# Altium PCB SmartHaloFF.PcbDoc (part 4 of 4)
Units mm, origin at the board's own origin, x right, y up, seen from the top; angles counter-clockwise.
Board outline 76.77 x 65.15 mm, 4 copper layers (Top Layer, Ground Plane, Power Plane, Bottom Layer), stack 1.516 mm thick; 370 components, 183 nets, 935 pads, 579 vias.
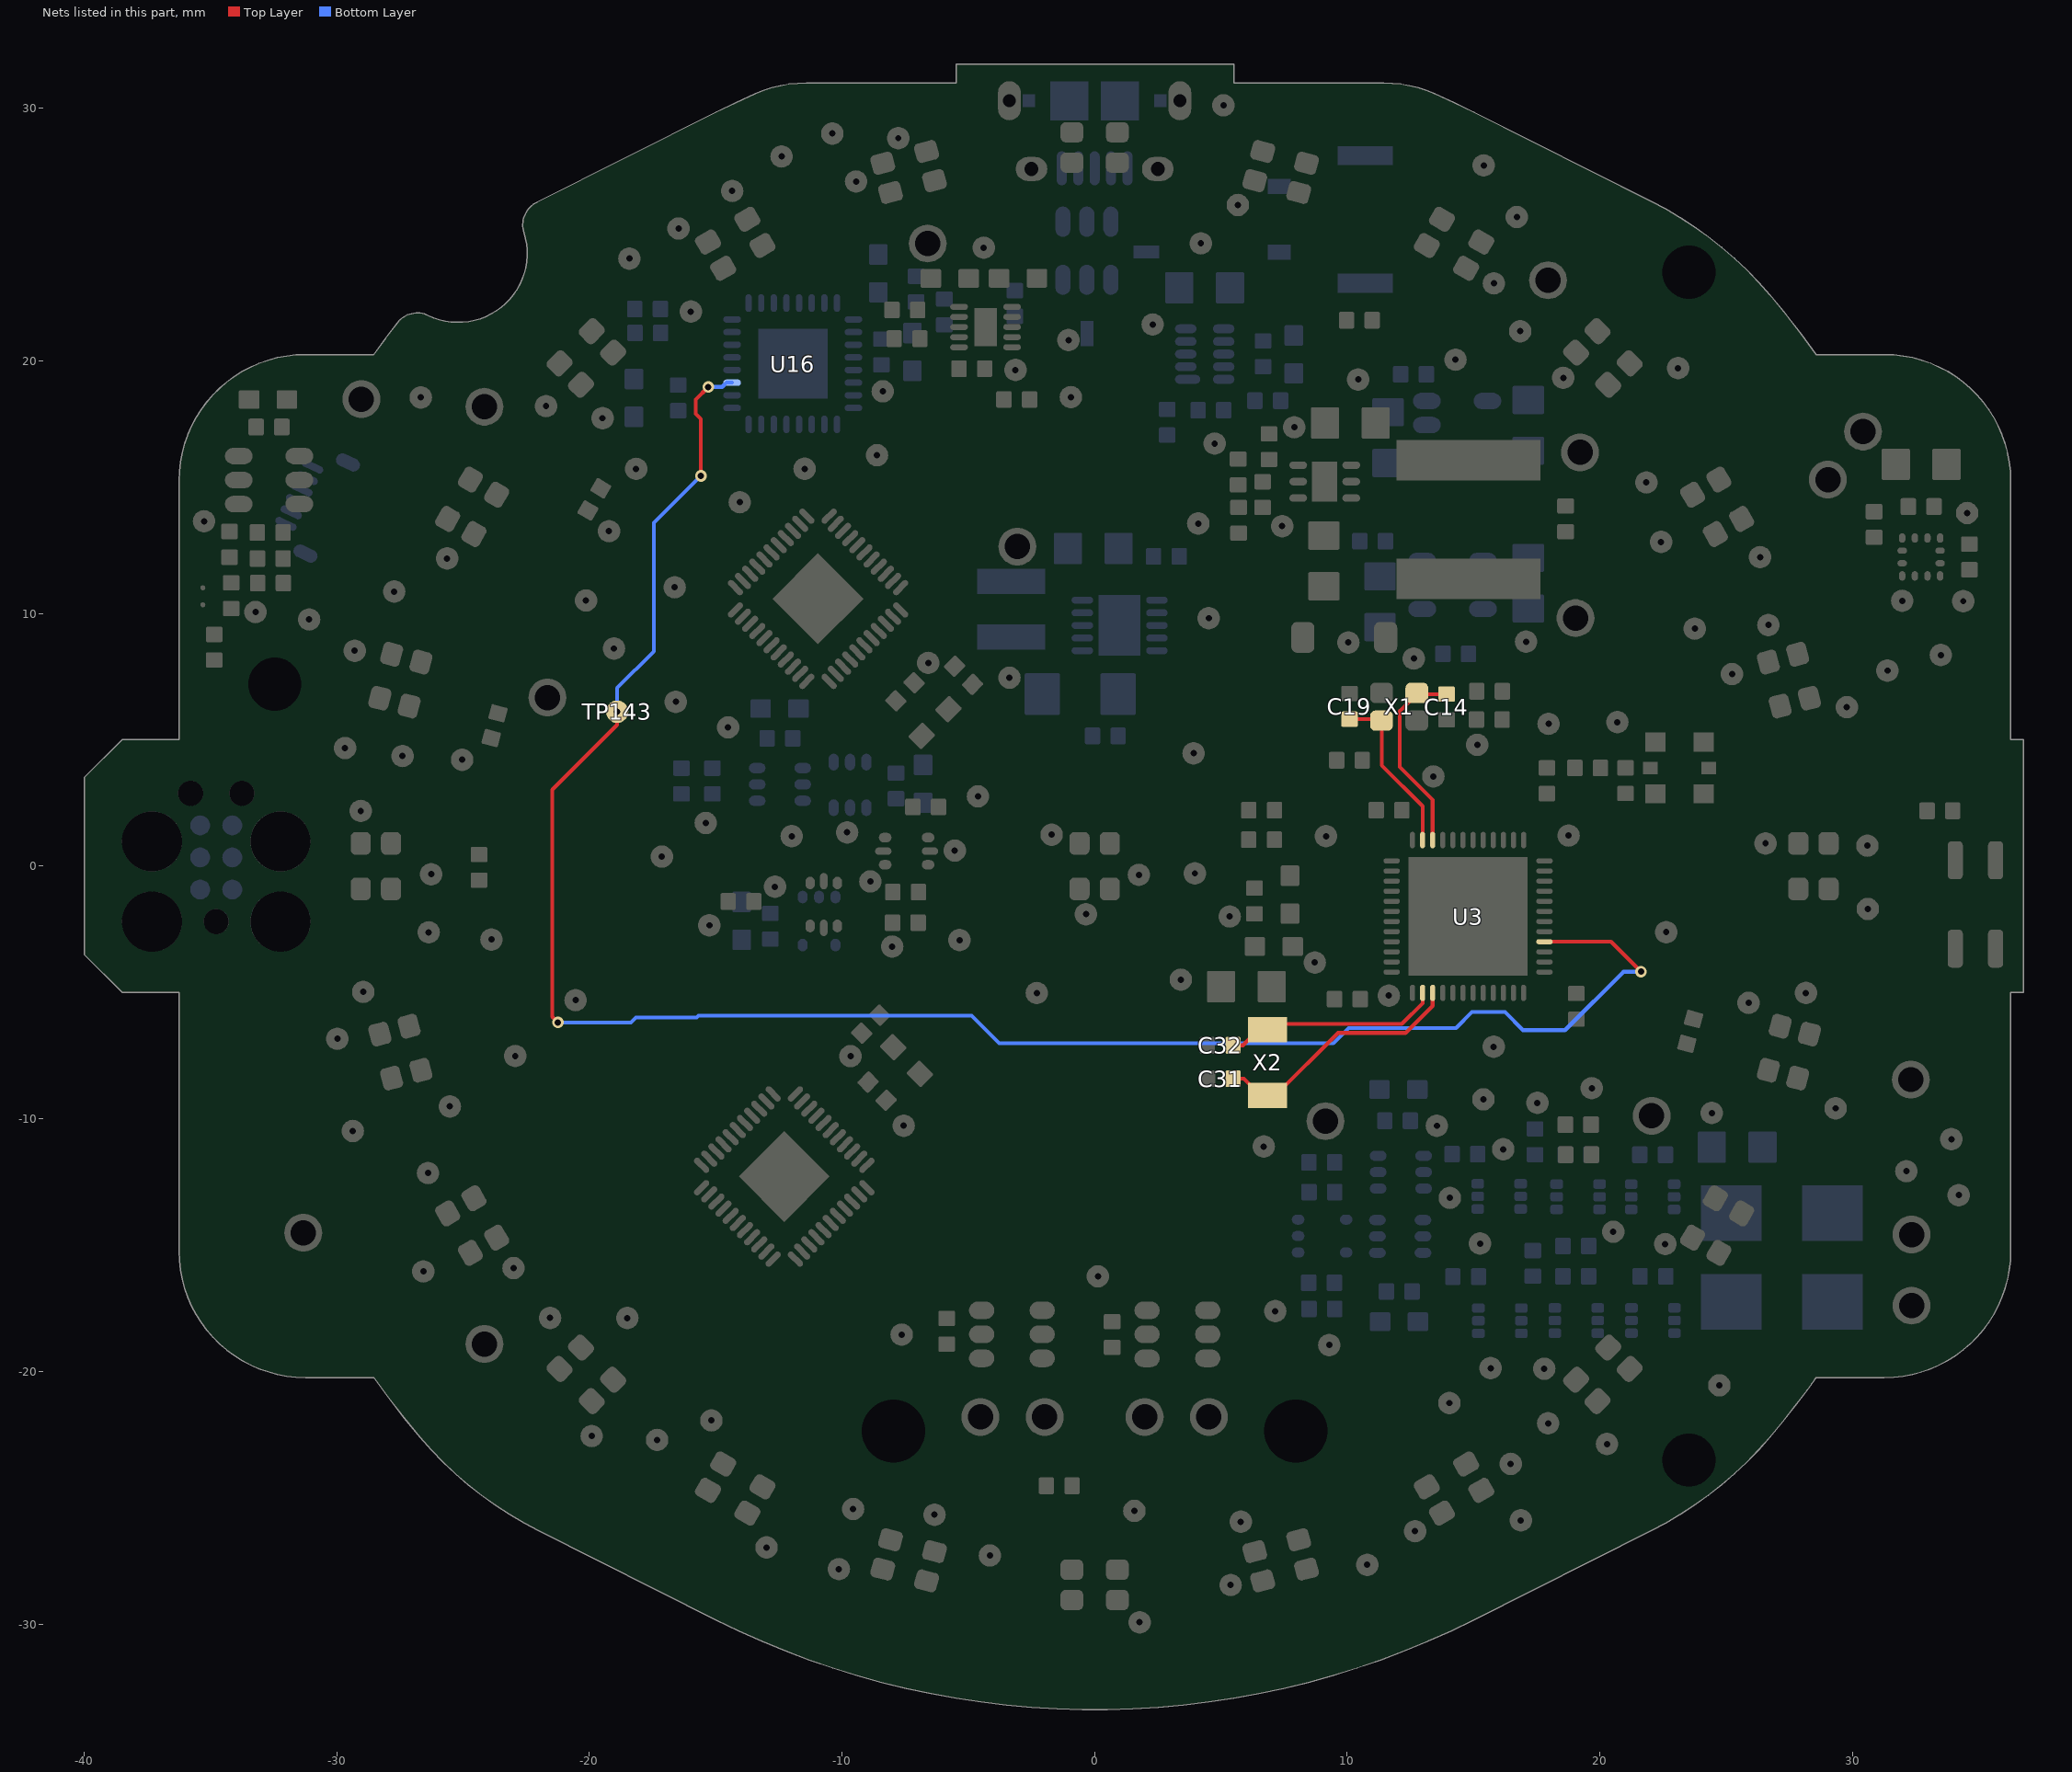
[diagram p6: the nets of this part, all layers, seen from the top]

## Via types
v1: diameter 0.457, hole 0.254, Top Layer to Bottom Layer, 555 vias
v2: diameter 0.686, hole 0.33, Top Layer to Bottom Layer, 24 vias

## Nets (pads, with @x,y where several pads share a name; then routed paths per layer and width w, separated by ;. In a path a pad name is that pad's centre, name@x,y a point inside that pad or via, vN(x,y) a via of type N, cw(c..) or ccw(c..) an arc to the next point about the centre after c; other vN are vias at no path point) (continued)
W\A\K\E\U\P\: TP143.1 U3.16 U16.3 | length 78.5
  Top Layer w0.152: v1(-21.242,-6.19) -21.468,-5.964 -21.468,3.028 -18.9,5.596 TP143.1@-18.9,6.114 ; v1(-15.588,15.451) -15.588,17.7 -15.794,17.906 -15.794,18.468 v1(-15.291,18.971) ; U3.16@17.805,-2.991 20.441,-2.991 v1(21.628,-4.178)
  Bottom Layer w0.152: v1(-21.242,-6.19) -18.359,-6.19 -18.161,-5.992 -15.752,-5.992 -15.684,-5.923 -4.869,-5.923 -3.777,-7.015 9.449,-7.015 10.05,-6.413 14.179,-6.413 14.184,-6.408 14.305,-6.408 14.938,-5.776 16.239,-5.776 16.955,-6.492 18.62,-6.492 20.934,-4.178 v1(21.628,-4.178) ; TP143.1@-18.9,6.114 -18.9,7.054 -17.45,8.504 -17.45,13.589 v1(-15.588,15.451) ; v1(-15.291,18.971) -14.743,18.971 -14.573,19.141 U16.3@-14.348,19.141
XC_N: C14.1 U3.34 X1.3 | length 7.8
  Top Layer w0.152: U3.34@13.38,1.034 13.38,2.617 12.074,3.923 12.074,6.137 12.747,6.81 C14.1@13.929,6.81
XC_P: C19.1 U3.35 X1.1 | length 6.8
  Top Layer w0.152: C19.1@10.086,5.819 X1.1@11.293,5.819 ; X1.1@11.352,5.759 X1.1@11.293,5.819 ; U3.35@12.98,1.034 12.98,2.374 11.364,3.99 11.364,5.748 X1.1@11.293,5.819
XL_N: C31.2 U3.3 X2.2 | length 10.1
  Top Layer w0.152: C31.2@5.481,-8.415 5.908,-8.415 6.564,-9.071 X2.2@6.838,-9.071 7.167,-9.071 9.639,-6.599 12.306,-6.599 13.38,-5.525 U3.3@13.38,-5.016
XL_P: C32.2 U3.2 X2.1 | length 8.6
  Top Layer w0.152: C32.2@5.476,-7.092 5.872,-7.092 6.493,-6.471 X2.1@6.839,-6.471 7.066,-6.243 12.159,-6.243 12.98,-5.422 U3.2@12.98,-5.016
pads on no net: ANT1.2 D4.2 J5.4 J7.0 J7.6 U3.20 U3.44 U5.6 U8.4 U12.4 U13.4 U14.4 U16.10 U16.11 U16.21 U16.22 U16.23 U16.25 U16.26 U16.27 U16.28 U16.29 U16.31 U18.3 U18.4

## Polygon pours and split planes (outlines as drawn)
USBGND on Top Layer "USBGND Top" (solid, pour order 38): -5.486,31.755 5.514,31.755 5.514,27.579 -5.486,27.579
VBZ on Top Layer "VBZ TOP" (solid, remove dead copper, pour order 52): 11.036,12.421 11.036,10.394 11.036,8.098 7.628,8.098 7.087,8.098 7.087,8.829 7.087,12.421 9.053,12.421
VBAT on Top Layer "VBAT_L01_P044" (solid, remove dead copper, pour order 44): 10.048,15.22 17.767,15.22 17.767,18.781 10.048,18.781 10.048,15.22
GND on Top Layer "Top Ground" (solid, remove dead copper, pour order 64): -38.495,-4.995 -36.236,-4.995 -36.236,-15.245 ccw(c-31.236,-15.245) -31.236,-20.245 -28.534,-20.245 ccw(c0.014,0.005) -26.703,-22.605 ccw(c-15.253,-12.915) -21.99,-26.317 -14.986,-29.837 -14.987,-29.837 ccw(c0.013,0.005) 15.013,-29.837 15.014,-29.837 22.017,-26.317 22.016,-26.317 ccw(c15.28,-12.915) 26.73,-22.605 26.731,-22.605 ccw(c0.014,0.005) 28.199,-20.745 ccw(c0.014,0.005) 28.561,-20.245 31.255,-20.245 31.255,-20.246 ccw(c31.255,-15.237) 36.264,-15.237 36.264,-4.995 36.772,-4.995 36.772,5.005 36.264,5.005 36.264,15.255 36.263,15.255 ccw(c31.263,15.255) 31.263,20.255 28.561,20.255 ccw(c0.014,0.005) 26.731,22.615 26.73,22.615 ccw(c15.28,12.925) 22.016,26.327 22.017,26.327 15.014,29.847 ccw(c0.014,0.005) 13.452,30.583 ccw(c11.44,26.005) 11.44,31.005 5.514,31.005 5.514,31.755 -5.486,31.755 -5.486,31.005 -11.413,31.005 -11.414,31.005 ccw(c-11.414,26.005) -13.425,30.583 -13.424,30.583 ccw(c0.014,0.005) -14.986,29.847 -22.085,26.279 ccw(c-21.636,25.386) -22.589,25.082 -22.59,25.082 cw(c-25.187,24.255) -26.374,21.801 ccw(c-26.809,20.9) -27.598,21.515 -27.597,21.515 ccw(c0.014,0.005) -28.534,20.255 -31.236,20.255 ccw(c-31.236,15.255) -36.236,15.255 -36.236,5.005 -38.494,5.005 -39.994,3.505 -39.994,-3.495
NetD2_2 on Top Layer "NetD2_2 Top" (solid, remove dead copper, pour order 9): 1.57,-18.179 1.57,-18.887 1.572,-18.89 4.978,-18.89 4.978,-17.229 4.976,-17.226 4.971,-17.221 3.023,-17.221 3.023,-18.169 3.005,-18.186 2.997,-18.179 1.57,-18.179
NetD1_2 on Top Layer "NetD1_2 Top" (solid, remove dead copper, pour order 7): -4.971,-18.176 -4.971,-18.885 -4.968,-18.887 -1.562,-18.887 -1.562,-17.226 -1.565,-17.224 -1.57,-17.219 -3.518,-17.219 -3.518,-18.166 -3.536,-18.184 -3.543,-18.176 -4.971,-18.176
S2V8 on Bottom Layer "S2V8 BOT" (solid, remove dead copper, pour order 56): 14.272,11.389 19.847,11.389 19.847,8.882 14.272,8.882
VDD_NRF on Bottom Layer "VDD_NRF BOT" (solid, remove dead copper, pour order 54): 16.38,17.781 16.38,14.983 19.833,14.983 19.833,15.326 19.833,17.781 16.58,17.781
VLED on Bottom Layer "VLED BOT" (solid, remove dead copper, pour order 50): -0.538,8.075 -0.389,8.075 -0.389,4.763 -3.211,4.763 -3.211,8.075 -0.66,8.075 -0.62,8.075 -0.577,8.075
NetC63_1 on Bottom Layer "NetC63_1  Bot" (solid, remove dead copper, pour order 34): 14.94,-17.805 14.94,-18.682 17.14,-18.682 17.14,-17.805 14.943,-17.805 14.94,-17.808
NetC62_1 on Bottom Layer "NetC62_1  Bot" (solid, remove dead copper, pour order 32): 14.915,-12.883 14.915,-13.759 17.115,-13.759 17.115,-12.883 14.917,-12.883 14.915,-12.885
BZ_OUT_N on Bottom Layer "BZ_OUT_N BOT" (solid, remove dead copper, pour order 48): 17.965,-17.8 17.965,-18.677 30.406,-18.677 30.406,-16.152 24.006,-16.152 24.006,-17.8
BZ_OUT_P on Bottom Layer "BZ_OUT_P BOT" (solid, remove dead copper, pour order 46): 18.034,-12.898 18.034,-13.779 24.006,-13.779 24.006,-14.841 30.406,-14.841 30.406,-12.639 24.008,-12.639 24.008,-12.898
VBAT on Bottom Layer "VBAT VLED BOT PLANE" (solid, remove dead copper, pour order 42): -4.658,10.77 -4.658,13.365 -0.074,13.365 -0.069,13.36 -0.069,10.363 -4.653,10.363 -4.658,10.368 -4.658,10.765
GND on Bottom Layer "Bot Ground" (solid, remove dead copper, pour order 70): -38.495,-4.995 -36.236,-4.995 -36.236,-15.245 ccw(c-31.236,-15.245) -31.236,-20.245 -28.534,-20.245 ccw(c0.014,0.005) -26.703,-22.605 ccw(c-15.253,-12.915) -21.99,-26.317 -14.986,-29.837 -14.987,-29.837 ccw(c0.013,0.005) 15.013,-29.837 15.014,-29.837 22.017,-26.317 22.016,-26.317 ccw(c15.28,-12.915) 26.73,-22.605 26.731,-22.605 ccw(c0.014,0.005) 28.199,-20.745 ccw(c0.014,0.005) 28.561,-20.245 31.255,-20.245 31.255,-20.246 ccw(c31.255,-15.237) 36.264,-15.237 36.264,-4.995 36.772,-4.995 36.772,5.005 36.264,5.005 36.264,15.255 36.263,15.255 ccw(c31.263,15.255) 31.263,20.255 28.561,20.255 ccw(c0.014,0.005) 26.731,22.615 26.73,22.615 ccw(c15.28,12.925) 22.016,26.327 22.017,26.327 15.014,29.847 ccw(c0.014,0.005) 13.452,30.583 ccw(c11.44,26.005) 11.44,31.005 5.514,31.005 5.514,31.755 -5.486,31.755 -5.486,31.005 -11.413,31.005 -11.414,31.005 ccw(c-11.414,26.005) -13.425,30.583 -13.424,30.583 ccw(c0.014,0.005) -14.986,29.847 -22.085,26.279 ccw(c-21.636,25.386) -22.589,25.082 -22.59,25.082 cw(c-25.187,24.255) -26.374,21.801 ccw(c-26.809,20.9) -27.598,21.515 -27.597,21.515 ccw(c0.014,0.005) -28.534,20.255 -31.236,20.255 ccw(c-31.236,15.255) -36.236,15.255 -36.236,5.005 -38.494,5.005 -39.994,3.505 -39.994,-3.495
NetD1_2 on Bottom Layer "NetD1_2 Bot" (solid, remove dead copper, pour order 15): -4.971,-18.176 -4.971,-18.885 -4.968,-18.887 -1.562,-18.887 -1.562,-17.226 -1.565,-17.224 -1.57,-17.219 -3.518,-17.219 -3.518,-18.166 -3.536,-18.184 -3.543,-18.176 -4.971,-18.176
NetD2_2 on Bottom Layer "NetD2_2 Bot" (solid, remove dead copper, pour order 17): 1.57,-18.179 1.57,-18.887 1.572,-18.89 4.978,-18.89 4.978,-17.229 4.976,-17.226 4.971,-17.221 3.023,-17.221 3.023,-18.169 3.005,-18.186 2.997,-18.179 1.57,-18.179
USBGND on Bottom Layer "USBGND Bot" (solid, pour order 36): -5.486,31.755 5.514,31.755 5.514,27.577 4.473,27.577 -4.249,27.577 -5.486,27.577
GND on Ground Plane "Ground Plane" (solid, remove dead copper, pour order 68): -38.495,-4.995 -36.236,-4.995 -36.236,-15.245 ccw(c-31.236,-15.245) -31.236,-20.245 -28.534,-20.245 ccw(c0.014,0.005) -26.703,-22.605 ccw(c-15.253,-12.915) -21.99,-26.317 -14.986,-29.837 -14.987,-29.837 ccw(c0.013,0.005) 15.013,-29.837 15.014,-29.837 22.017,-26.317 22.016,-26.317 ccw(c15.28,-12.915) 26.73,-22.605 26.731,-22.605 ccw(c0.014,0.005) 28.199,-20.745 ccw(c0.014,0.005) 28.561,-20.245 31.255,-20.245 31.255,-20.246 ccw(c31.255,-15.237) 36.264,-15.237 36.264,-4.995 36.772,-4.995 36.772,5.005 36.264,5.005 36.264,15.255 36.263,15.255 ccw(c31.263,15.255) 31.263,20.255 28.561,20.255 ccw(c0.014,0.005) 26.731,22.615 26.73,22.615 ccw(c15.28,12.925) 22.016,26.327 22.017,26.327 15.014,29.847 ccw(c0.014,0.005) 13.452,30.583 ccw(c11.44,26.005) 11.44,31.005 5.514,31.005 5.514,31.755 -5.486,31.755 -5.486,31.005 -11.413,31.005 -11.414,31.005 ccw(c-11.414,26.005) -13.425,30.583 -13.424,30.583 ccw(c0.014,0.005) -14.986,29.847 -22.085,26.279 ccw(c-21.636,25.386) -22.589,25.082 -22.59,25.082 cw(c-25.187,24.255) -26.374,21.801 ccw(c-26.809,20.9) -27.598,21.515 -27.597,21.515 ccw(c0.014,0.005) -28.534,20.255 -31.236,20.255 ccw(c-31.236,15.255) -36.236,15.255 -36.236,5.005 -38.494,5.005 -39.994,3.505 -39.994,-3.495
USBGND on Ground Plane "USBGND GND Plane" (solid, pour order 40): -5.486,31.755 5.514,31.755 5.514,27.6 -5.486,27.6
VBZ on Power Plane "VBZ PLANE" (solid, remove dead copper, pour order 62): 18.395,-8.369 18.395,-18.605 26.954,-18.605 26.954,-8.369
VBAT on Power Plane "VBAT PLANE" (solid, remove dead copper, pour order 58): -11.948,30.97 -11.948,30.935 -11.948,25.08 -3.277,25.08 -3.277,23.599 -1.796,23.599 -1.796,25.08 0.417,25.08 0.419,19.891 -4.676,19.891 -4.653,19.863 -4.653,8.214 11.793,8.214 11.784,10.467 11.773,13.114 11.699,31.005 5.514,31.005 5.514,31.755 -5.486,31.755 -5.486,31.006 -11.948,31.006 -11.948,30.935 -11.948,31.006
VUSB on Power Plane "VUSB PLANE" (solid, remove dead copper, pour order 60): -11.948,25.08 -11.948,19.891 0.404,19.891 0.419,19.891 0.419,25.08
VLED on Power Plane "VLED Plane" (solid, remove dead copper, pour order 66): -38.495,-4.995 -36.236,-4.995 -36.236,-15.245 ccw(c-31.236,-15.245) -31.236,-20.245 -28.534,-20.245 ccw(c0.014,0.005) -26.703,-22.605 ccw(c-15.253,-12.915) -21.99,-26.317 -14.986,-29.837 -14.987,-29.837 ccw(c0.013,0.005) 15.013,-29.837 15.014,-29.837 22.017,-26.317 22.016,-26.317 ccw(c15.28,-12.915) 26.73,-22.605 26.731,-22.605 ccw(c0.014,0.005) 28.199,-20.745 ccw(c0.014,0.005) 28.561,-20.245 31.255,-20.245 31.255,-20.246 ccw(c31.255,-15.237) 36.264,-15.237 36.264,-4.995 36.772,-4.995 36.772,5.005 36.264,5.005 36.264,15.255 36.263,15.255 ccw(c31.263,15.255) 31.263,20.255 28.561,20.255 ccw(c0.014,0.005) 26.731,22.615 26.73,22.615 ccw(c15.28,12.925) 22.016,26.327 22.017,26.327 15.014,29.847 ccw(c0.014,0.005) 13.452,30.583 ccw(c11.44,26.005) 11.44,31.005 5.514,31.005 5.514,31.755 -5.486,31.755 -5.486,31.005 -11.413,31.005 -11.414,31.005 ccw(c-11.414,26.005) -13.425,30.583 -13.424,30.583 ccw(c0.014,0.005) -14.986,29.847 -22.085,26.279 ccw(c-21.636,25.386) -22.589,25.082 -22.59,25.082 cw(c-25.187,24.255) -26.374,21.801 ccw(c-26.809,20.9) -27.598,21.515 -27.597,21.515 ccw(c0.014,0.005) -28.534,20.255 -31.236,20.255 ccw(c-31.236,15.255) -36.236,15.255 -36.236,5.005 -38.494,5.005 -39.994,3.505 -39.994,-3.495

## Keep-outs
Mechanical 3:
  circle w0.254: c0.013,0.005 r5.5
  lines w0.254: -34.945,-1.723 cw(c0.013,0.005) -33.743,9.255 -30.099,9.255 cw(c0.013,0.005) -24.116,20.255 -28.534,20.255 ; -34.884,-2.677 ccw(c0.013,0.005) -26.704,-22.605 ; -14.989,-29.84 ccw(c0.011,0.003) 15.011,-29.84 ; 26.728,-22.607 ccw(c0.011,0.003) 34.198,-7.497 ; 26.73,-22.605 ccw(c0.013,0.005) 34.2,-7.495 30.607,-7.495 ccw(c0.013,0.005) 28.326,13.811 31.364,15.565 ccw(c0.013,0.005) 26.73,22.615 ; -23.958,8.7 -22.056,12.779 -21.83,12.673 cw(c0.013,0.005) -23.731,8.595 -23.958,8.7
Mechanical 4:
  lines w0.254: -10.233,-31.784 -10.233,-20.745 10.005,-20.745 10.005,-31.865 ; -3.686,27.505 -3.686,31.755 3.714,31.755 3.714,27.505 -3.686,27.505

## Other copper
Top Layer:
  pour cut-out: 1.575,-19.05 1.575,-19.832 4.966,-19.832 4.966,-19.469 4.965,-19.05 2.377,-19.05
  pour cut-out: -4.961,-19.06 -4.961,-19.842 -1.57,-19.842 -1.57,-19.479 -1.57,-19.06 -4.158,-19.06
  pour cut-out: -33.843,16.5 -33.878,16.465 -33.878,14.335 -31.478,14.335 -31.478,16.235 -33.878,16.235
  pour cut-out: -10.932,14.245 -10.951,14.226 -14.647,10.53 -14.239,10.122 -10.524,13.837
  pour cut-out: -7.693,11.011 -7.712,10.993 -11.408,7.296 -11,6.889 -7.285,10.604
  pour cut-out: -7.293,10.601 -7.312,10.62 -11.008,14.316 -11.416,13.908 -7.701,10.193
  pour cut-out: -10.583,7.294 -10.601,7.312 -14.298,11.009 -14.705,10.601 -10.99,6.886
  pour cut-out: -15.567,-12.654 -15.549,-12.635 -11.852,-8.939 -12.26,-8.531 -15.975,-12.246
  pour cut-out: -12.26,-15.943 -12.241,-15.925 -8.545,-12.228 -8.953,-11.821 -12.668,-15.536
  pour cut-out: -11.85,-15.544 -11.868,-15.525 -15.565,-11.829 -15.972,-12.236 -12.257,-15.951
  pour cut-out: -8.616,-12.305 -8.635,-12.286 -12.331,-8.59 -12.739,-8.997 -9.024,-12.712
Ground Plane:
  pour cut-out: 33.365,1.614 36.365,1.614 36.365,-4.646 33.365,-4.646
Power Plane:
  pour cut-out: 33.365,1.614 36.365,1.614 36.365,-4.646 33.365,-4.646
Bottom Layer:
  pour cut-out: -14.397,22.329 -14.397,17.414 -9.517,17.414 -9.495,17.437 -9.495,22.329 -14.386,22.329 -14.387,22.329 -14.394,22.329

## Silkscreen, mask and mechanical layers (free items; w line width, h text height)
Top Overlay:
  drawing of 4068 lines, arcs and shapes, not listed
  text "FF" at -19.063,1.966 h2.54 r90
  text "2016/11/03 CycleLabs Solutions inc." at -18.092,-15.461 h0.64 r90
Outline:
  lines w0.254: -38.495,-4.995 -36.237,-4.995 ; -38.494,-4.995 -39.994,-3.495 -39.994,3.505 -38.494,5.005 -36.236,5.005 -36.236,15.255 cw(c-31.236,15.255) -31.236,20.255 -28.534,20.255 cw(c0.014,0.005) -27.597,21.515 ; -36.236,-4.995 -36.236,-15.245 ccw(c-31.236,-15.245) -31.236,-20.245 -28.534,-20.245 ccw(c0.014,0.005) -26.703,-22.605 ccw(c-15.253,-12.915) -21.99,-26.317 -14.986,-29.837 ccw(c0.013,0.005) 15.013,-29.837 22.017,-26.317 ; -27.598,21.515 cw(c-26.809,20.9) -26.374,21.801 ccw(c-25.187,24.255) -22.59,25.082 ; -22.589,25.082 cw(c-21.636,25.386) -22.085,26.279 -14.986,29.847 cw(c0.014,0.005) -13.424,30.583 cw(c-11.414,26.005) -11.414,31.005 -5.486,31.005 -5.486,31.755 ; -5.487,31.755 5.513,31.755 ; 5.514,31.755 5.514,31.005 11.44,31.005 cw(c11.44,26.005) 13.452,30.583 cw(c0.014,0.005) 15.014,29.847 22.017,26.327 ; 22.016,-26.317 ccw(c15.28,-12.915) 26.73,-22.605 ccw(c0.014,0.005) 28.199,-20.745 ccw(c0.014,0.005) 28.561,-20.245 31.255,-20.245 ; 22.016,26.327 cw(c15.28,12.925) 26.73,22.615 cw(c0.014,0.005) 28.561,20.255 31.263,20.255 cw(c31.263,15.255) 36.263,15.255 ; 31.255,-20.246 ccw(c31.255,-15.237) 36.264,-15.237 36.264,-4.995 ; 36.263,-4.995 36.771,-4.995 ; 36.263,5.005 36.771,5.005 ; 36.264,5.005 36.264,15.255 ; 36.772,-4.995 36.772,5.005 ; -23.958,8.7 -23.731,8.595 -22.599,8.066 -20.697,12.145 -21.83,12.673 -22.056,12.779 -23.958,8.7
Mechanical 2:
  lines w0.254: -71.272,-70.002 -24.354,-70.002
Mechanical 3:
  circle w0.254: c0.013,0.005 r1.575
  circle w0.254: c7.979,-22.353 r1.25
  circle w0.254: c-7.954,-22.353 r1.25
  circle w0.254: c-1.967,-21.798 r0.5
  circle w0.254: c4.533,-21.798 r0.5
  circle w0.254: c1.993,-21.798 r0.5
  circle w0.254: c-4.507,-21.798 r0.5
  circle w0.254: c-35.784,2.889 r0.5
  circle w0.254: c-37.308,-2.191 r1.188
  circle w0.254: c-37.308,0.984 r1.188
  circle w0.254: c-33.752,2.889 r0.5
  circle w0.254: c-32.228,0.984 r1.188
  circle w0.254: c-32.228,-2.191 r1.188
  circle w0.254: c-32.449,7.202 r1.05
  circle w0.254: c23.524,23.516 r1.05
  circle w0.254: c23.524,-23.506 r1.05
  circle w0.254: c0.013,-28.445 r1.575
  circle w0.254: c-27.468,7.368 r1.575
  circle w0.254: c-28.437,0.005 r1.575
  circle w0.254: c-24.626,-14.22 r1.575
  circle w0.254: c-27.468,-7.358 r1.575
  circle w0.254: c7.376,-27.476 r1.575
  circle w0.254: c-7.351,-27.476 r1.575
  circle w0.254: c-14.212,-24.633 r1.575
  circle w0.254: c-20.105,-20.112 r1.575
  circle w0.254: c27.493,-7.358 r1.575
  circle w0.254: c24.651,-14.22 r1.575
  circle w0.254: c20.13,-20.112 r1.575
  circle w0.254: c14.238,-24.633 r1.575
  circle w0.254: c20.13,20.122 r1.575
  circle w0.254: c-24.626,14.23 r1.575
  circle w0.254: c-20.105,20.122 r1.575
  circle w0.254: c-14.212,24.644 r1.575
  circle w0.254: c-7.351,27.486 r1.575
  circle w0.254: c0.013,28.455 r1.575
  circle w0.254: c7.376,27.486 r1.575
  circle w0.254: c14.238,24.644 r1.575
  circle w0.254: c28.463,0.005 r1.575
  circle w0.254: c27.493,7.368 r1.575
  circle w0.254: c24.651,14.23 r1.575
  lines w0.254: -23.957,8.7 -22.598,8.066 -20.696,12.145 -22.055,12.779 ; -34.945,-1.723 ccw(c-34.768,-2.191) -34.884,-2.677 ccw(c-34.768,-2.191) -34.945,-1.723
  text "BACK" at -3.475,33.225 h2
  text "RIGHT (LOCK)" at -58.872,-1.505 h2
  text "LEFT" at 38.306,-2.002 h2
  text "FRONT" at -4.262,-36.38 h2
Mechanical 4:
  circle w0.254: c4.534,-21.798 r0.5
  circle w0.254: c1.994,-21.798 r0.5
  circle w0.254: c-1.966,-21.798 r0.5
  circle w0.254: c-4.506,-21.798 r0.5
  circle w0.254: c7.98,-22.353 r1.25
  circle w0.254: c-7.953,-22.353 r1.25
  circle w0.254: c23.525,-23.506 r1.05
  circle w0.254: c-33.751,2.889 r0.5
  circle w0.254: c-35.783,2.889 r0.5
  circle w0.254: c-34.767,-2.191 r0.5
  circle w0.254: c-32.227,0.984 r1.188
  circle w0.254: c-32.227,-2.191 r1.188
  circle w0.254: c-37.307,-2.191 r1.188
  circle w0.254: c-37.307,0.984 r1.188
  circle w0.254: c-32.448,7.202 r1.05
  circle w0.254: c-34.132,1.619 r0.393
  circle w0.254: c-34.132,0.349 r0.393
  circle w0.254: c-34.132,-0.921 r0.393
  circle w0.254: c-35.402,0.349 r0.393
  circle w0.254: c-35.402,-0.921 r0.393
  circle w0.254: c-35.402,1.619 r0.393
  lines w0.254: -31.797,12.356 -31.577,12.827 -30.671,12.405 -30.891,11.933 ; -29.895,16.434 -30.115,15.963 -29.209,15.541 -28.989,16.012 ; -10.233,-20.745 -26.986,-20.745 -26.986,21.884 cw(c-26.808,20.9) -26.373,21.801 ccw(c-25.186,24.255) -22.507,23.755 22.502,23.755 ; 10.005,-20.745 28.199,-20.745 ccw(c0.014,0.005) 28.561,-20.245 31.264,-20.245 ccw(c31.264,-15.245) 35.514,-17.879 35.514,17.889 ccw(c31.264,15.255) 31.264,20.255 28.561,20.255 ccw(c0.014,0.005) 26.731,22.615 ccw(c15.281,12.925) 25.659,23.755 24.547,23.755 ; -31.936,13.359 -31.664,13.232 -31.538,13.504 -31.81,13.631 ; -31.936,13.359 -32.48,13.612 -32.353,13.884 -31.81,13.631 ; -31.936,13.359 -32.296,12.588 -29.395,11.236 -27.494,15.314 -30.394,16.667 -30.753,15.897 ; -31.81,13.631 -31.725,13.812 ; -31.725,13.812 -31.453,13.685 -31.326,13.957 -31.598,14.084 ; -31.725,13.812 -32.269,14.066 -32.142,14.337 -31.598,14.084 ; -31.598,14.084 -31.514,14.265 ; -31.514,14.265 -31.242,14.138 -31.115,14.41 -31.387,14.537 ; -31.514,14.265 -32.057,14.519 -31.931,14.791 -31.387,14.537 ; -31.387,14.537 -31.302,14.718 ; -31.302,14.718 -31.03,14.592 -30.904,14.863 -31.176,14.99 ; -31.302,14.718 -31.846,14.972 -31.719,15.244 -31.176,14.99 ; -31.176,14.99 -31.091,15.171 ; -31.091,15.171 -30.819,15.045 -30.692,15.317 -30.964,15.443 ; -31.091,15.171 -31.635,15.425 -31.508,15.697 -30.964,15.443 ; -30.964,15.443 -30.88,15.625 ; -30.88,15.625 -30.608,15.498 -30.481,15.77 -30.753,15.897 ; -30.88,15.625 -31.424,15.878 -31.297,16.15 -30.753,15.897 ; 22.502,23.755 ccw(c23.525,23.516) 24.547,23.755 ; 22.502,23.755 cw(c23.525,23.516) 24.547,23.755 ; -23.957,8.7 -22.055,12.779 -20.696,12.145 -22.598,8.066 -23.957,8.7 ; 6.864,24.005 6.864,24.605 7.764,24.605 7.764,24.005 6.864,24.005 ; 6.864,25.305 6.864,25.905 7.764,25.905 7.764,25.305 6.864,25.305 ; 6.864,26.605 6.864,27.205 7.764,27.205 7.764,26.605 6.864,26.605 ; 9.614,22.705 9.614,23.455 11.814,23.455 11.814,22.705 9.614,22.705 ; 9.614,27.755 9.614,28.505 11.814,28.505 11.814,27.755 9.614,27.755 ; 24.014,-18.345 24.014,-16.145 26.414,-16.145 26.414,-18.345 24.014,-18.345 ; 24.014,-14.845 24.014,-12.645 26.414,-12.645 26.414,-14.845 24.014,-14.845 ; 28.014,-18.345 28.014,-16.145 30.414,-16.145 30.414,-18.345 28.014,-18.345 ; 28.014,-14.845 28.014,-12.645 30.414,-12.645 30.414,-14.845 28.014,-14.845
  text "BATTERY" at -37.597,-19.045 h2 r90
Mechanical 5:
  lines w0.254: -29.306,11.249 cw(c0,0) -27.455,15.218 ; -7.965,-22.36 -12.416,-42.724 7.965,-22.358 ; 27.429,3.785 39.113,-12.716 ; 29.754,-13.906 32.207,-28.811 29.766,-17.45
  text "All dimensions in mm unless otherwise noted" at 28.44,31.285 h1.52
  text "CPWG Transmission line. / Based on  S1000-2 TG170 Stackup  / Impedance must be controlled to  / 50 Ohm (11.208 mils width)" at 39.652,-23.536 h1.52
  text "Wire is inserted from this side" at 26.248,-35.9 h1.52
  text "SQUARE NPTH 2.5 x 2.5mm" at -28.044,-45.611 h1.52
Mechanical 6:
  lines w0.254: -38.495,-4.995 -36.237,-4.995 ; -38.494,-4.995 -39.994,-3.495 -39.994,3.505 -38.494,5.005 -36.236,5.005 -36.236,15.255 cw(c-31.236,15.255) -31.236,20.255 -28.534,20.255 cw(c0.014,0.005) -27.597,21.515 ; -36.236,-4.995 -36.236,-15.245 ccw(c-31.236,-15.245) -31.236,-20.245 -28.534,-20.245 ccw(c0.014,0.005) -26.703,-22.605 ccw(c-15.253,-12.915) -21.99,-26.317 -14.986,-29.837 ccw(c0.013,0.005) 15.013,-29.837 22.017,-26.317 ; -27.598,21.515 cw(c-26.809,20.9) -26.374,21.801 ccw(c-25.187,24.255) -22.59,25.082 ; -22.589,25.082 cw(c-21.636,25.386) -22.085,26.279 -14.986,29.847 cw(c0.014,0.005) -13.424,30.583 cw(c-11.414,26.005) -11.414,31.005 -5.486,31.005 -5.486,31.755 ; -5.487,31.755 5.513,31.755 ; 5.514,31.755 5.514,31.005 11.44,31.005 cw(c11.44,26.005) 13.452,30.583 cw(c0.014,0.005) 15.014,29.847 22.017,26.327 ; 22.016,-26.317 ccw(c15.28,-12.915) 26.73,-22.605 ccw(c0.014,0.005) 28.199,-20.745 ccw(c0.014,0.005) 28.561,-20.245 31.263,-20.245 ccw(c31.263,-15.245) 36.263,-15.245 ; 22.016,26.327 cw(c15.28,12.925) 26.73,22.615 cw(c0.014,0.005) 28.561,20.255 31.263,20.255 cw(c31.263,15.255) 36.263,15.255 ; 35.514,17.889 cw(c31.264,15.255) 36.264,15.255 36.264,5.005 ; 36.263,-4.995 36.771,-4.995 ; 36.263,5.005 36.771,5.005 ; 36.264,-15.245 36.264,-4.995 ; 36.772,-4.995 36.772,5.005 ; -23.958,8.7 -23.731,8.595 -22.599,8.066 -20.697,12.145 -21.83,12.673 -22.056,12.779 -23.958,8.7
Drill Drawing:
  circle w0.254: c-59.176,73.102 r0.847
  lines w0.254: -60.023,64.635 -58.329,64.635 -58.329,66.329 -60.023,66.329 -60.023,64.635 ; -60.023,68.869 -59.599,68.869 -59.599,68.445 -58.753,68.445 -58.753,68.869 -58.329,68.869 -58.329,69.715 -58.753,69.715 -58.753,70.139 -59.599,70.139 -59.599,69.715 -60.023,69.715 -60.023,68.869 ; -60.023,77.759 -58.329,77.759 -59.176,76.065 -60.023,77.759 ; -60.023,79.875 -58.329,79.875 -58.329,81.569 -60.023,81.569 -60.023,79.875 ; -60.023,84.532 -59.176,83.685 -58.329,84.532 -59.176,85.379 -60.023,84.532 ; -60.023,87.495 -59.176,87.919 -58.329,87.495 -58.753,88.342 -58.329,89.189 -59.176,88.765 -60.023,89.189 -59.599,88.342 -60.023,87.495 ; -60.023,91.305 -60.023,91.729 -59.599,92.152 -60.023,92.575 -60.023,92.999 -59.599,92.999 -59.176,92.575 -58.753,92.999 -58.329,92.999 -58.329,92.575 -58.753,92.152 -58.329,91.729 -58.329,91.305 -58.753,91.305 -59.176,91.729 -59.599,91.305 -60.023,91.305 ; -59.684,80.214 -58.668,80.214 -58.668,81.23 -59.684,81.23 -59.684,80.214
  lines w0.381: -61.541,63.492 96.505,63.492 ; -61.541,93.972 96.505,93.972 ; -47.549,59.682 -47.549,97.782 ; -32.313,59.682 -32.313,97.782 ; -3.873,59.682 -3.873,97.782 ; 8.976,59.682 8.976,97.782 ; 27.614,59.682 27.614,97.782 ; 61.488,59.682 61.488,97.782 ; -61.541,59.682 96.505,59.682 96.505,97.782 -61.541,97.782 -61.541,59.682
  text "Symbol" at -59.255,95.115 h1.83
  text "Count" at -46.406,95.115 h1.83
  text "Hole Size" at -31.17,95.115 h1.83
  text "Plated" at -2.73,95.115 h1.83
  text "Hole Type" at 10.119,95.115 h1.83
  text "Hole Tolerance (+)" at 28.757,95.115 h1.83
  text "Hole Tolerance (-)" at 62.631,95.115 h1.83
  text "2" at -46.406,91.305 h1.52
  text "0,500mm (19,69mil)" at -31.17,91.305 h1.52
  text "PTH" at -2.73,91.305 h1.52
  text "Slot" at 10.119,91.305 h1.52
  text "2" at -46.406,87.495 h1.52
  text "0,550mm (21,65mil)" at -31.17,87.495 h1.52
  text "PTH" at -2.73,87.495 h1.52
  text "Slot" at 10.119,87.495 h1.52
  text "3" at -46.406,83.685 h1.52
  text "0,991mm (39,00mil)" at -31.17,83.685 h1.52
  text "NPTH" at -2.73,83.685 h1.52
  text "Round" at 10.119,83.685 h1.52
  text "0,076mm (3,00mil)" at 28.757,83.685 h1.52
  text "0,076mm (3,00mil)" at 62.631,83.685 h1.52
  text "3" at -46.406,79.875 h1.52
  text "2,100mm (82,68mil)" at -31.17,79.875 h1.52
  text "NPTH" at -2.73,79.875 h1.52
  text "Round" at 10.119,79.875 h1.52
  text "0,076mm (3,00mil)" at 28.757,79.875 h1.52
  text "0,076mm (3,00mil)" at 62.631,79.875 h1.52
  text "4" at -46.406,76.065 h1.52
  text "2,375mm (93,50mil)" at -31.17,76.065 h1.52
  text "NPTH" at -2.73,76.065 h1.52
  text "Round" at 10.119,76.065 h1.52
  text "0,076mm (3,00mil)" at 28.757,76.065 h1.52
  text "0,076mm (3,00mil)" at 62.631,76.065 h1.52
  text "21" at -46.406,72.255 h1.52
  text "1,000mm (39,37mil)" at -31.17,72.255 h1.52
  text "PTH" at -2.73,72.255 h1.52
  text "Round" at 10.119,72.255 h1.52
  text "24" at -46.406,68.445 h1.52
  text "0,330mm (13,00mil)" at -31.17,68.445 h1.52
  text "PTH" at -2.73,68.445 h1.52
  text "Round" at 10.119,68.445 h1.52
  text "717" at -46.406,64.635 h1.52
  text "0,254mm (10,00mil)" at -31.17,64.635 h1.52
  text "PTH" at -2.73,64.635 h1.52
  text "Round" at 10.119,64.635 h1.52
  text "776 Total" at -46.406,60.825 h1.52
  text "Slot definitions :" at -59.255,57.143 h1.52
  text "Routed Path Length" at -33.025,57.143 h1.52
  text "= Calculated from tool start centre position to tool end centre position." at -5.017,57.143 h1.52
  text "Hole Length" at -33.025,54.604 h1.52
  text "= Routed Path Length + Tool Size = Slot length as defined in the PCB layout" at -15.428,54.604 h1.52
  text "No changes to materials and/or gerber files are permitted without written approval from Smart Halo. /   / 1.       Board spec. /          a.       Board shall be manufactured to meet all spec. defined under the latest revision of IPC-6012 class 2 & IPC-A-600 class 2. / 2.       Material /          a.       See PCB requirement spec PDF /          b.      Material must be lead free compliant per IPC-4101A/24 or /26. /          c.       Maximum thickness 0.062\" +/- 0.006\" measured over solder mask /          d.      Outer layers copper foil (    )1/2 OZ./SQ.FT OR (X)1 OZ./SQ.FT OR (    )2 OZ./SQ.FT. /          e.      Inner layers copper foil (    )1/2 OZ./SQ.FT OR ( X)1 OZ./SQ.FT OR (    )2 OZ./SQ.FT. /          f.        Boards rated & identified to UL 94V0. / 3.       Gerber files /          a.       Supplied gerber files must not be modified by manufacturer without prior permission from Smart Halo. /          b.      Copper addition is not permitted on any layers unless otherwise specified. /          c.       Copper addition in breakaway areas for panel forms is acceptable. /          d.      Manufacturing logo, UL and date code must be added as specified on panel from mechanical drawing. /          e.      Gerber traces, components pads & vias pads widths are finished widths. Finished width accuracy on inner layers +/- 0.001\". / 4.       Plated Holes /          a.       Plated thru holes, unless otherwise specified, are sizes show after plating. Wall thickness of plated thru holes shall be 0.001¨, min etch back or smear removals shall be 0.0002\" min and 0.003\"max. / 5.       Solder mask /          a.       Apply photo imageable solder mask as per specification IPC-SM-840 to both sides of PWB over bare copper, WHITE, Taiyo PSR-4000 WT05 /          b.      Solder mask thickness: 0.0008\"min.  /  0.001\" max. /          c.       Solder mask registration: +/- 0.002\" /          d.      In order to avoid oversizing of components pads being part of copper plane or vias, solder mask must not be modified. Solder mask compensation already applied in gerber files in order to meet registration value. /          e.      Soldermask :  no soldermask opening should be more then 3 mils expansion from the pad size. For BGA, LGA and QFN or QFP Fine Pitch,  max 2.5 mils expansion.  / 6.       Finish /          a.       RoHS compliant (EU directive 2002/95/EC) 2-10 uIN immersion Gold over 50-200 uIN Electroless Nickel (ENIG). /          b.      No exposed copper. / 7.       Silkscreen /          a.       Apply silkscreen to top & bottom side of PWB using non conductive BLACK epoxy based ink. /          b.      Cut silkscreen using solder mask clearance. / 8.       Electrical test /          a.       100% electrical testing required. / 9.       Vias /          a.       All via diameter to be within tolerance specified in point 3. / 10.   Stackup /          a.       Material as per stackup drawing. See PCB requirement spec PDF" at 99.294,-41.26 h2